# KiCad board jetson-agx-thor-baseboard.kicad_pcb (continued)
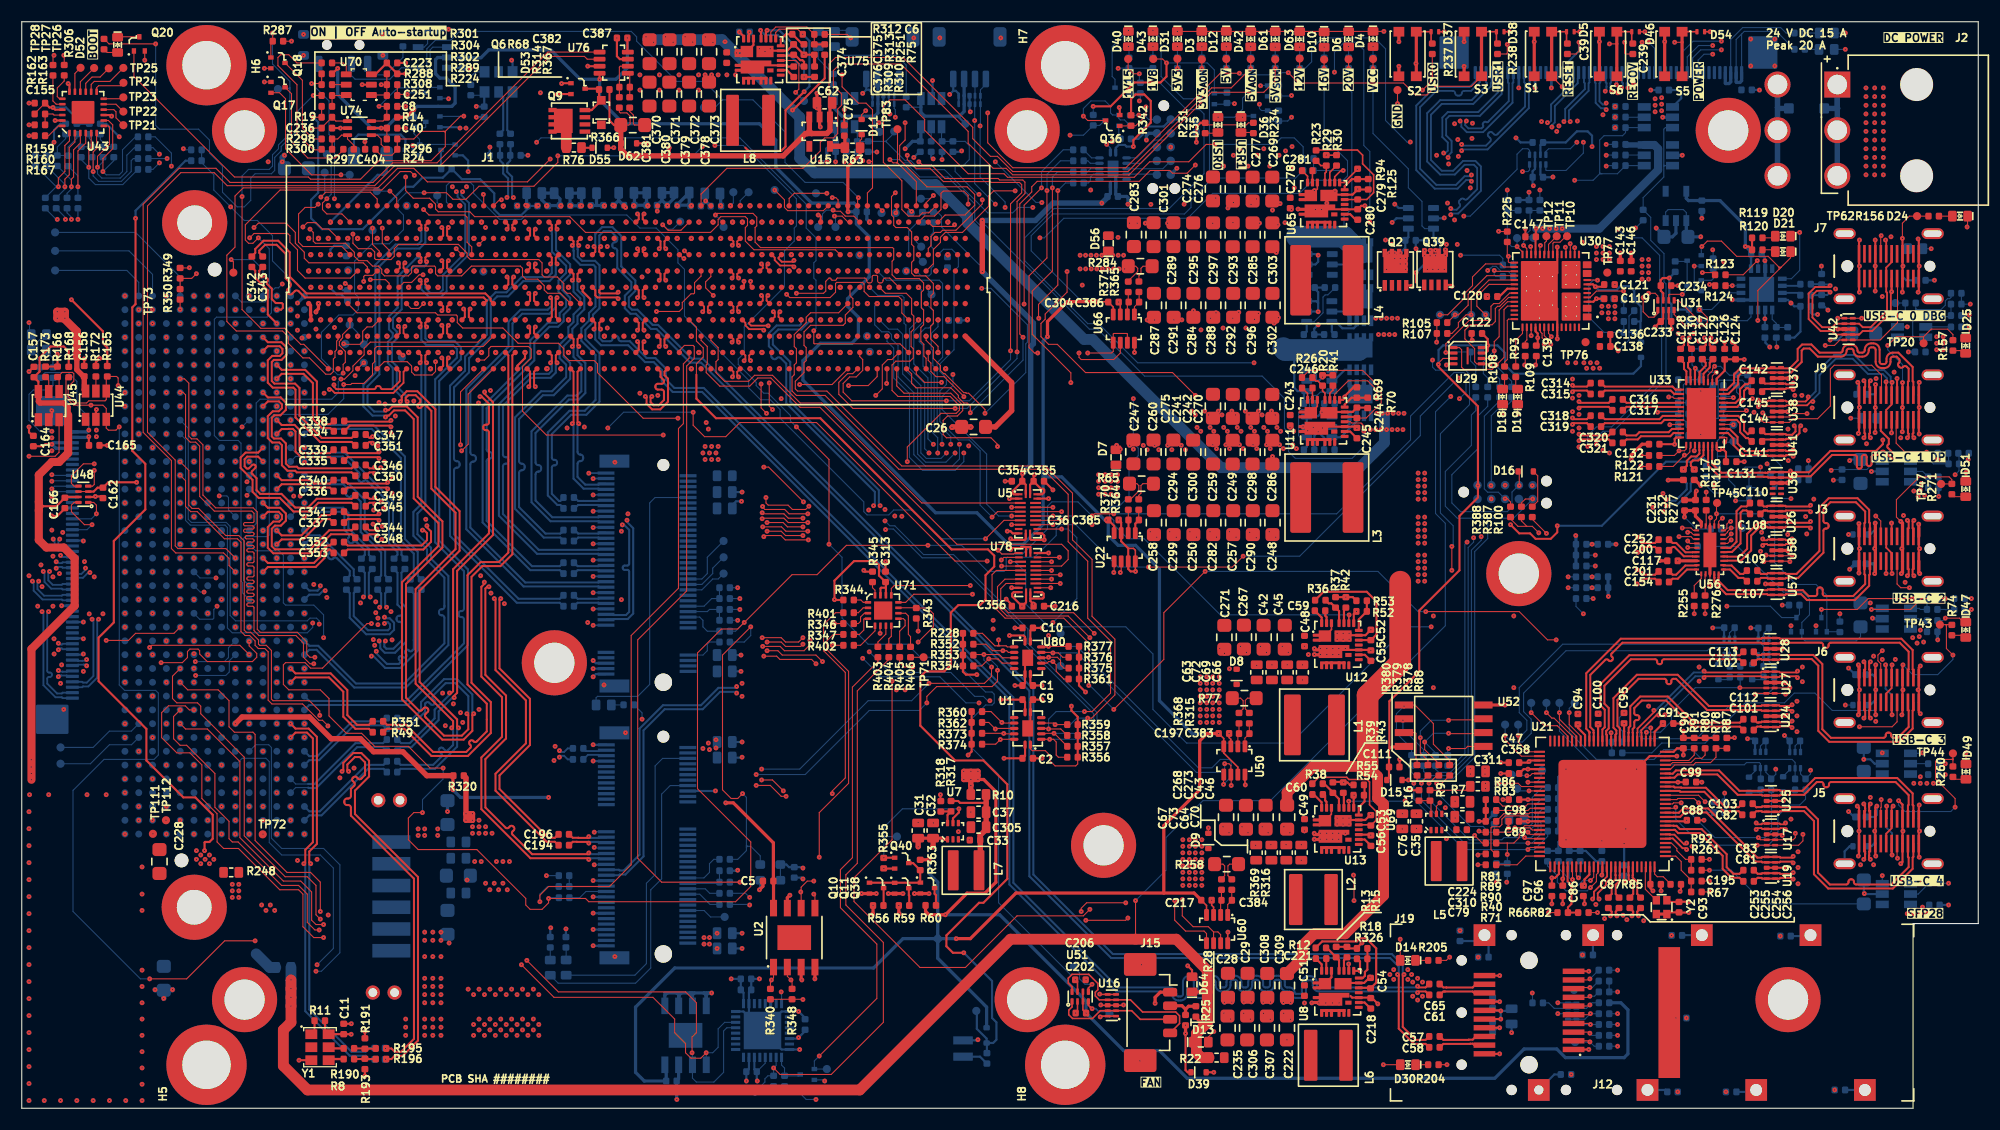
[diagram p0: board, top side]
## Routing (per net, layer and track width the routed paths; a pad name or vN(x,y) marks a point on that pad's centre or on a via; arc(x,y) is an arc through that point) (continued)
  Bottom w0.1: v1(93.67,80.11) 94.07,80.11 95.87,81.91 107.27,81.91 109.56,84.2 117.56,84.2 118.77,85.41 121.57,85.41 121.97,85.81 121.97,87.21 119.82,89.36 R51.2
  Bottom w0.2: C359.2 85.02,77.23 v1(85.02,77.06) ; C366.2 28.75,79.39 28.4,79.04 v1(28.4,78.56) ; C84.2 86.92,72.51 v1(87.02,72.61) ; 33.57,87.61 33.57,86.21 33.27,85.91 32.75,85.91 v1(28.4,81.56) ; C365.2 29.39,74.91 28.97,74.91 28.4,75.48 v1(28.4,75.56)
  vias: v1(25.37,72.91) v1(25.37,71.61) v1(26.4,80.06) v1(26.4,77.06) v1(26.59,78.56) v1(26.6,75.55) v1(27.07,71.71) v1(27.3,80.07) v1(27.31,77.06) v1(27.3,74.07) v1(27.49,78.56) v1(27.51,75.56) v1(27.51,72.57) v1(28.77,71.86) v1(99.07,58.31) v1(99.07,57.71) v1(99.07,57.11) v1(99.07,56.51) v1(99.67,58.31) v1(99.67,57.71) v1(99.67,57.11) v1(99.67,56.51) v1(100.22,58.31) v1(100.22,57.71) v1(100.22,57.11) v1(100.22,56.51) v1(100.82,58.31) v1(100.82,57.71) v1(100.82,57.11) v1(100.82,56.51)
Net-(BT1-+): length 2.5
  Bottom w0.2: R6.1 88.16,4.75 BT1.1
Net-(D1-C): length 106.2
  Top w0.1: 62.07,67.51 62.07,68.51 62.7,69.14 62.7,69.98 62.07,70.61 62.07,71.89 J1.D37
  Top w0.2: 62.07,67.51 62.07,65.31 63.87,63.51 73.47,63.51 85.54,51.44 88.89,51.44 89.47,50.86 89.47,49.86 88.67,49.06 88.67,46.81 88.17,46.31 86.17,46.31 85.47,45.61 85.47,40.81 84.87,40.21 83.17,40.21 82.67,39.71 82.67,35.21 85.87,32.01 88.47,32.01 90.67,29.81 90.67,21.11 88.47,18.91 88.07,18.91 85.07,15.91 85.07,14.91 85.67,14.31 v1(86.67,14.31)
  Bottom w0.2: D1.1 89.37,6.01 89.67,6.31 89.67,7.91 89.27,8.31 89.27,11.71 v1(86.67,14.31) ; D1.1 88.77,6.41 87.87,7.31 87.87,9.01 ; D1.1 88.79,5.99 R6.2
Net-(D3-A): length 1
  Bottom w0.1: D3.2 R32.1
  vias: v1(108.57,97.7)
Net-(D4-A): length 1
  Bottom w0.1: v1(124.32,97.71) R27.1
Net-(D6-A): length 1
  Bottom w0.1: v1(122.07,97.71) R17.1
Net-(D10-A): length 1
  Bottom w0.1: 119.82,97.71 R51.1
  vias: v1(119.82,97.66)
Net-(D12-A): length 1
  Bottom w0.1: D12.2 R64.1
  vias: v1(110.82,97.7)
Net-(D14-C): length 1.2
  Top w0.1: D14.1 R205.2
Net-(D16-A): length 3.6
  Top w0.1: R100.1 139.47,55.87 139.47,58.21 D16.2
Net-(D18-A): length 1.2
  Top w0.1: R108.2 136.42,66.37 D18.2
Net-(D19-A): length 1.2
  Top w0.1: R109.2 137.45,66.36 D19.2
Net-(D20-A): length 1.2
  Top w0.1: D20.2 161.17,80.11 R119.1
Net-(D21-A): length 1.3
  Top w0.1: D21.2 161.16,79.01 R120.1
Net-(D24-A): length 1.2
  Top w0.1: R156.1 D24.2
Net-(D25-A): length 1.3
  Top w0.1: R157.1 178.59,69.73 D25.2
Net-(D26-A): length 1.3
  Bottom w0.1: R177.1 D26.2
Net-(D27-A): length 1.3
  Bottom w0.1: R178.1 165.34,97.46 D27.2
Net-(D28-A): length 1.8
  Bottom w0.1: R182.1 2.87,69.04 2.27,69.64 D28.2
Net-(D29-A): length 3.5
  Bottom w0.1: R183.1 1.67,68.71 1.47,68.91 1.47,70.55 2.12,71.2 D29.2
Net-(D30-C): length 1.2
  Top w0.1: D30.1 R204.2
Net-(D31-A): length 1
  Bottom w0.1: v1(106.32,97.71) R79.1
Net-(D32-A): length 1.1
  Bottom w0.1: D32.2 55.36,37.12 R211.1
Net-(D32-C): length 26.5
  Bottom w0.1: J13.10 58.27,56.21 57.77,55.71 57.77,39.01 56.67,37.91 52.97,37.91 52.84,37.78 D32.1
Net-(D33-A): length 1.2
  Bottom w0.1: D33.2 50.08,14.78 R221.1
Net-(D34-A): length 1.2
  Bottom w0.1: D34.2 R222.1
Net-(D35-A): length 1.2
  Top w0.1: R231.1 109.98,89.74 D35.2
Net-(D35-C): length 4.8
  Bottom w0.1: v1(110.07,91.21) 111.57,91.21 112.32,91.96 112.32,92.96 112.99,93.63 Q13.3
Net-(D36-A): length 1.2
  Top w0.1: R234.1 113.24,89.81 D36.2
Net-(D36-C): length 1
  Bottom w0.1: Q14.3 112.43,91.32 v1(112.32,91.21)
Net-(D40-A): length 1.1
  Top w0.1: D40.2 v1(101.82,97.71)
  Bottom w0.1: R240.1 101.87,97.66 v1(101.82,97.71)
Net-(D40-C): length 6
  Bottom w0.1: v1(101.82,99.21) 100.32,97.71 100.32,94.96 100.58,94.7 Q4.3
Net-(D41-A): length 3.1
  Bottom w0.1: D41.2 73.27,96.59 R242.1
Net-(D42-A): length 1
  Bottom w0.1: 113.07,97.71 R35.1
  vias: v1(113.07,97.7)
Net-(D43-A): length 1
  Bottom w0.1: v1(104.07,97.71) R257.1
Net-(D43-C): length 9
  Bottom w0.1: Q16.3 106.87,92.91 104.82,94.96 104.82,98.46 v1(104.07,99.21)
Net-(D44-A): length 10.2
  Bottom w0.1: D44.2 74.87,97.71 75.67,96.91 80.47,96.91 81.37,96.01 R246.1
Net-(D47-A): length 1.4
  Top w0.1: R74.1 178.65,43.53 D47.2
Net-(D49-A): length 1.3
  Top w0.1: R260.1 177.89,30.28 D49.2
Net-(D51-A): length 1.4
  Top w0.1: R271.1 177.79,56.29 D51.2
Net-(D52-A): length 1.4
  Top w0.1: D52.2 7.86,97.17 R306.1
Net-(D52-C): length 2
  Top w0.1: Q20.3 8.86,98.61 D52.1
Net-(D53-A): length 4.2
  Top w0.2: Q9.4 52.42,91.87 D53.2 53.11,92.98 R68.1 ; Q6.3 53.11,93.84
Net-(D54-A): length 145.6
  Top w0.1: R308.2 v1(33.07,94.21) ; R288.1 C251.2 33.54,93.26 U70.1 ; 152.75,98.11 v1(152.07,98.11)
  Top w0.15: S5.4 D54.2
  Top w0.3: S5.3 S5.4
  In5.Cu w0.1: v1(152.07,98.11) 151.52,97.56 137.62,97.56 136.47,98.71 131.87,98.71 131.27,98.11 128.27,98.11 127.57,98.81 126.17,98.81 125.77,98.41 101.67,98.41 100.37,97.11 100.37,92.61 94.47,86.71 90.87,86.71 88.87,88.71 88.87,90.76 89.52,91.41 89.52,91.76 87.37,93.91 80.17,93.91 77.77,96.31 47.47,96.31 45.97,94.81 35.57,94.81 34.97,94.21 v1(33.07,94.21)
Net-(D57-A): length 1.1
  Bottom w0.1: D57.2 159.75,41.4 159.75,41.69
Net-(D57-C): length 1.2
  Bottom w0.1: D57.1 160,39.45 R330.1
Net-(D58-A): length 1.1
  Bottom w0.1: 156.61,41.72 156.61,41.37 D58.2
Net-(D58-C): length 1.1
  Bottom w0.1: R331.1 156.91,39.45 D58.1
Net-(D59-A): length 1
  Bottom w0.1: Q27.3 162.65,31.15 162.05,30.55 162.05,30.51
Net-(D59-C): length 1.2
  Bottom w0.1: R336.1 162.99,29.15 162.09,29.15 D59.1
Net-(D60-A): length 1.1
  Bottom w0.1: D60.2 159.46,31.03 Q29.3
Net-(D60-C): length 1.2
  Bottom w0.1: D60.1 159.76,29.08 159.99,29.31 R337.1
Net-(D61-A): length 1
  Bottom w0.1: 115.32,97.71 R61.1
  vias: v1(115.32,97.66)
Net-(D63-A): length 1
  Bottom w0.1: 117.57,97.71 R372.1
  vias: v1(117.57,97.66)
Net-(J1A-FSI_GPIO03): length 5
  Top w0.1: J1.K37 60.65,80.81 59.47,80.81 v1(58.97,81.31)
  Bottom w0.1: TP56.1 59.89,80.91 59.37,80.91 v1(58.97,81.31)
Net-(J1A-GPIO30):
  vias: v1(78,69.56)
Net-(J1A-GPIO31): length 0.8
  Bottom w0.1: v1(82.5,78.56) 82.5,78.3 TP34.1
Net-(J1A-GPIO39):
  vias: v1(77.8,71.06)
Net-(J1A-GPIO56): length 0
  Top w0.1: J1.G5 v1(30.02,77.06)
Net-(J1A-MODULE_POWER_GOOD): length 0.7
  Top w0.1: J1.L59 81.4,82.98 81.84,82.54 v1(81.87,82.54)
Net-(J1A-MV_LSW_MON): length 1.6
  Bottom w0.1: TP31.1 66.1,83.54 v1(66.1,83.06)
Net-(J1A-PERIPHERAL_RESET_N): length 0.7
  Top w0.1: J1.L58 80.5,82.49 v1(80.42,82.41)
Net-(J1A-POWER_INT_N): length 0.5
  Top w0.2: J1.B10 34.82,69.56 v1(35.07,69.31)
Net-(J1A-SYSTEM_OC_N): length 34.8
  Top w0.1: v1(63.82,82.21) 63.97,82.36 67.27,82.36 67.62,82.01 67.62,81.21 67.47,81.06 67.47,79.71 67.97,79.21 80.12,79.21 80.22,79.11 80.22,78.11 80.07,77.96 80.07,76.71 80.42,76.36 82.57,76.36 82.97,75.96 82.97,75.31 82.77,75.11 82.77,73.66 82.97,73.46 82.97,72.11 82.72,71.86 82.72,70.59 82.99,70.31 82.99,69.24 83.2,69.03 J1.A61
  Bottom w0.1: v1(63.82,82.21) 64.57,81.46 TP51.1
Net-(J1A-THERM_ALERT_N): length 0.7
  Top w0.1: v1(79.17,82.61) 78.72,83.06 J1.L56
Net-(J1A-THERM_SHDN_REQ_N):
  vias: v1(81.4,77.06)
Net-(J1A-UFS0_REF_CLK): length 0.8
  Top w0.1: J1.A6 31.45,68.61 v1(31.47,68.61)
Net-(J1A-UFS0_RST_N): length 1.4
  Bottom w0.1: TP53.1 30.9,71.38 v1(30.9,71.06)
Net-(J1A-VCOMP_ALERT_N): length 0.8
  Bottom w0.1: v1(83.4,75.56) 83.4,75.2 TP49.1
Net-(J1A-VM_INT_N): length 5.3
  Top w0.1: v1(74.07,84.21) 71.07,84.21 70.6,83.74 J1.L47
  Bottom w0.1: TP32.1 v1(74.07,84.21)
Net-(J1A-VM_SLEEP_N): length 1.4
  Bottom w0.1: v1(65.2,83.06) 65.47,83.33 TP57.1
Net-(J10-Pad39): length 162.5
  In5.Cu w0.1: v1(156.37,98.21) 153.17,98.21 151.92,96.96 134.77,96.96 129.56,91.75 122.71,91.75 121.67,90.71 99.54,90.71 94.99,86.16 89.52,86.16 85.77,89.91 74.4,89.91 72.25,87.76 71.97,87.76 71.62,87.41 52.27,87.41 51.27,88.41 46.27,88.41 45.77,87.91 25.37,87.91 24.17,86.71 15.84,86.71 14.64,87.91 13.72,87.91 13.12,88.51 12.37,88.51 12.12,88.26 12.12,87.51 12.62,87.01 v1(12.67,87.01)
  Bottom w0.1: R395.2 12.07,86.41 v1(12.67,87.01) ; v1(156.37,98.21) 153.77,98.21 152.73,97.17 J10.39
Net-(J10-Pad40): length 156.9
  In5.Cu w0.1: v1(155.57,97.81) 153.37,97.81 152.27,96.71 134.9,96.71 129.65,91.46 123.07,91.46 121.92,90.31 99.7,90.31 95.3,85.91 89.35,85.91 85.75,89.51 74.72,89.51 72.1,86.89 45.25,86.89 44.64,87.51 25.54,87.51 24.34,86.31 15.67,86.31 14.47,87.51 13.82,87.51 13.72,87.41 v1(13.37,87.41)
  Bottom w0.1: 13.37,87.41 v1(13.37,87.41) R396.2 ; J10.40 153.23,96.77 154.27,97.81 v1(155.57,97.81)
Net-(J10-Pad41): length 158.8
  In5.Cu w0.1: v1(12.67,87.81) 12.67,87.58 13.24,87.01 13.54,87.01 13.64,87.11 14.3,87.11 15.5,85.91 24.5,85.91 25.7,87.11 44.47,87.11 45.27,86.31 71.77,86.31 71.97,86.11 75.57,86.11 78.57,89.11 84.37,89.11 87.97,85.51 95.47,85.51 99.87,89.91 122.12,89.91 123.22,91.01 129.77,91.01 135.07,96.31 152.47,96.31 153.57,97.41 v1(156.37,97.41)
  Bottom w0.1: v1(12.67,87.81) 12.07,88.41 R397.2 ; J10.41 153.73,96.67 154.47,97.41 v1(156.37,97.41)
Net-(J10-Pad42): length 157.5
  In5.Cu w0.1: v1(155.57,97.01) 153.77,97.01 152.67,95.91 135.24,95.91 129.95,90.63 123.54,90.63 122.57,89.66 100.19,89.66 95.64,85.11 87.57,85.11 83.97,88.71 80.37,88.71 77.27,85.61 71.77,85.61 71.42,85.96 45.05,85.96 44.3,86.71 25.87,86.71 24.77,85.61 15.24,85.61 14.14,86.71 v1(13.77,86.71)
  Bottom w0.1: J10.42 154.23,96.47 154.77,97.01 v1(155.57,97.01) ; v1(13.77,86.71) 13.77,87.91 12.27,89.41 R398.2
Net-(J11-Pad39): length 30.5
  In5.Cu w0.1: v1(3.27,81.81) 3.27,80.23 1.3,78.26 1.3,57.81 2.77,56.34 v1(2.77,56.31)
  Bottom w0.1: J11.39 3.21,56.75 v1(2.77,56.31) ; v1(3.27,81.81) 3.17,81.81 2.17,82.81 R181.1
Net-(J11-Pad40): length 29.7
  In5.Cu w0.1: v1(2.77,57.01) 2.77,57.03 1.59,58.21 1.59,78.14 4.02,80.58 v1(4.02,81.81)
  Bottom w0.1: v1(4.02,81.81) 4.02,81.98 R184.1 ; J11.40 3.01,57.25 v1(2.77,57.01)
Net-(J11-Pad41): length 28.7
  In5.Cu w0.1: v1(2.77,57.71) 1.87,58.61 1.87,78.03 4.57,80.73 v1(4.57,81.81)
  Bottom w0.1: R399.1 4.17,82.41 4.57,82.01 v1(4.57,81.81) ; v1(2.77,57.71) 2.81,57.75 J11.41
Net-(J11-Pad42): length 27.9
  In5.Cu w0.1: v1(2.77,58.31) 2.15,58.93 2.15,77.91 5.17,80.93 v1(5.17,81.81)
  Bottom w0.1: v1(2.77,58.31) 2.83,58.25 J11.42 ; R400.1 v1(5.17,81.81)
Net-(J12-RS0): length 2.5
  Top w0.1: J12.7 144.17,10.21 v1(144.27,10.31)
  Bottom w0.1: v1(144.27,10.31) 144.69,10.31 R188.1
Net-(J12-RS1): length 2.7
  Top w0.1: v1(144.27,11.91) 144.17,11.81 J12.9
  Bottom w0.1: R199.2 144.28,11.91 v1(144.27,11.91)
Net-(J12-RX_{LOS}): length 4.2
  Top w0.1: J12.8 142.87,11.11 v1(144.27,11.11)
  Bottom w0.1: R192.1 144.48,11.11 v1(144.27,11.11) 143.03,11.11 TP29.1
Net-(J12-TX_{DISABLE}): length 2.4
  Top w0.1: J12.3 144.17,7.01 v1(144.27,6.91)
  Bottom w0.1: v1(144.27,6.91) 144.47,6.71 R198.2
Net-(J12-TX_{FAULT}): length 3.9
  Top w0.1: v1(144.27,6.11) 144.17,6.21 J12.2
  Bottom w0.1: TP30.1 144.25,6.09 v1(144.27,6.11) 144.67,5.71 R189.1
Net-(J18-PadB01): length 7
  Top w0.1: v1(19.27,78.11) 19.47,77.91 TP73.1
  Bottom w0.1: v1(19.27,78.11) 21.27,78.11 22.2,77.18 J18.B01
Net-(J18-PadB40):
  vias: v1(22.2,25.24)
Net-(J18-PadH01): length 14.9
  Bottom w0.1: J18.H01 14.58,76.5 10.47,80.61 TP109.1
Net-(J18-PadH02): length 0.9
  Top w0.1: R350.1 v1(14.57,73.51)
  Bottom w0.1: 14.58,73.5 14.58,73.5 v1(14.57,73.51)
Net-(J18-PadJ39): length 0
  Bottom w0.1: J18.J39 13.27,26.51 v1(13.27,26.51)
Net-(J18-PadK01): length 11.8
  Bottom w0.1: TP110.1 9.87,78.91 12.03,76.74 J18.K01
Net-(J18-PadK40): length 0
  Bottom w0.1: v1(12.07,25.26) 12.04,25.24 J18.K40
Net-(J18-PadL01): length 9.4
  Bottom w0.1: TP113.1 9.67,77.11 10.77,76.01 J18.L01
Net-(J18-PadL32): length 8.1
  Bottom w0.1: J18.L32 10.08,34.71 8.07,34.71 6.57,33.21 TP114.1
Net-(J18-PadL33): length 8.2
  Bottom w0.1: J18.L33 10.1,33.46 8.07,33.46 6.32,31.71 TP115.1
Net-(Q1-D): length 3.3
  Bottom w0.1: Q1.3 71.49,2.98 70.19,2.98 R232.1 70.18,3.7 69.9,3.98 U14.17
Net-(Q2-G): length 12.5
  Top w0.2: v1(127.88,75.65) 127.88,75.68 127.82,75.73 Q2.4 ; v1(131.58,75.65) 131.58,75.68 131.48,75.77 Q39.4
  In5.Cu w0.2: v1(130.87,81.95) 131.57,81.25 131.57,75.66 v1(131.58,75.65) 131.54,75.69 127.91,75.69 v1(127.88,75.65)
  Bottom w0.2: U6.5 130.83,81.91 v1(130.87,81.95)
Net-(Q5-G): length 2.5
  Bottom w0.2: 122.16,63.74 122.16,63 121.87,62.71 U61.5
Net-(Q8-D): length 7.6
  Bottom w0.2: 30.57,87.61 30.57,89.21 30.97,89.61 34.87,89.61 35.3,89.18 Q8.3
Net-(Q9-D): length 2.6
  Top w1: R76.1 50.1,90.6 Q9.5
Net-(Q10-D): length 1.6
  Top w0.2: R56.1 79.29,18.67 Q10.3
Net-(Q10-G): length 7.2
  Top w0.2: Q10.1 82.67,20.76 Q38.1 82.66,20.79 R363.1 82.01,22.56 Q40.3
Net-(Q11-D): length 1.6
  Top w0.2: R59.1 81.65,19.57 81.61,19.61 Q11.3
Net-(Q17-D): length 10.9
  Top w0.1: 29.59,88.21 28.84,87.46 26.32,87.46 24.82,88.96 24.82,93.37 Q17.3
Net-(Q18-D): length 8.8
  Top w0.1: Q18.3 25.82,94.61 25.82,90.21 26.82,89.21 R298.1
Net-(Q19-D): length 13.4
  Top w0.1: v1(173.97,46.91) 169.87,46.91 168.87,45.91 v1(165.57,45.91)
  Bottom w0.1: v1(165.57,45.91) Q19.3 ; U23.4 174.57,46.01 174.67,45.91 R269.1 175.28,46.89 R268.1 173.98,46.9 v1(173.97,46.91)
Net-(Q21-D1): length 2.2
  Bottom w0.1: Q21.5 160.25,43.72 R299.2 160.75,44.18 Q21.6
Net-(Q22-D): length 3.7
  Top w0.1: R308.1 C251.1 34.65,93.31 v1(35.47,93.31)
  Bottom w0.1: Q22.3 35.62,93.46 v1(35.47,93.31)
Net-(Q22-G): length 6
  Bottom w0.1: Q22.1 37.72,93.96 37.57,94.11 37.57,97.41 37.82,97.66 U72.1
Net-(Q23-G): length 2.2
  Bottom w0.2: Q23.4 122.16,72.82 121.65,73.33 U62.5
Net-(Q24-G): length 2
  Bottom w0.2: Q24.4 121.73,67.97 120.72,66.96 U63.5
Net-(Q25-G): length 2.2
  Bottom w0.2: U64.5 121.62,77.66 122.16,77.12 Q25.4
Net-(Q26-D1): length 2.2
  Bottom w0.1: Q26.5 157.11,43.75 R303.2 157.61,44.21 Q26.6
Net-(Q27-D1): length 2.3
  Bottom w0.1: Q27.5 163.15,33.35 R332.2 163.65,33.77 Q27.6
Net-(Q28-G): length 9
  Top w0.1: v1(97.67,91.31) 98.07,90.91 Q36.3
  Bottom w0.1: R126.1 101.46,90.96 101.07,90.96 100.93,91.1 Q28.1 100.36,91.42 100.17,91.61 100.17,92.21 99.67,92.71 98.37,92.71 97.67,92.01 v1(97.67,91.31)
Net-(Q29-D1): length 2.2
  Bottom w0.1: Q29.5 159.96,33.34 R333.2 160.46,33.78 Q29.6
Net-(Q34-D): length 2.5
  Bottom w0.1: Q34.3 159.44,57.13 Q35.1 158.91,58.23 R273.1
Net-(Q35-D): length 5.7
  Bottom w0.1: R118.2 154.97,57.31 155.65,56.63 Q35.3 157.61,57.27 157.04,57.84 R274.1
Net-(Q37-D): length 1.7
  Bottom w0.2: Q37.3 38.57,86.48 R50.1
Net-(Q37-G): length 6.6
  Bottom w0.1: Q7.3 37.17,90.31 37.1,90.24 R47.1 36.07,89.71 36.6,89.18 Q8.1 39.86,88.71 Q37.1
Net-(Q38-D): length 1.7
  Top w0.2: Q38.3 83.98,19.74 84.11,19.61 R60.1
Net-(R265-Pad1): length 2.6
  Bottom w0.1: R269.2 176.97,45.91 176.99,45.89 R339.2 R265.1
Net-(R300-Pad2): length 15.1
  Top w0.1: 27.59,88.21 26.82,88.21 25.32,89.71 25.32,94.21 23.57,95.96 23.57,96.71 23.82,96.96 24.57,96.96 25.32,96.21 R301.2
Net-(R307-Pad2): length 5.9
  Bottom w0.1: SW2.3 31.82,95.16 31.87,95.11 33.47,95.11 35.07,96.71 R307.2
Net-(R406-Pad2): length 1.2
  Top w0.1: TP71.1 R406.2
Net-(U21-PF19): length 7.9
  Top w0.1: U21.66 138.67,26.81 138.57,26.91 136.47,26.91 136.17,26.61 136.17,26.11 135.97,25.91 135.27,25.91 135.17,25.81 135.17,23.81 135.57,23.41 R40.2
Net-(U21-PF26): length 4.3
  Top w0.1: R71.2 137.57,22.41 138.37,23.21 U21.75
Net-(U21-RBIAS): length 2.5
  Top w0.1: R85.2 151.69,20.64 151.02,21.31 150.47,21.31 150.22,21.56 150.22,22.22
Net-(U21-USB2DN_DM3): length 2.7
  Top w0.1: U21.82 143.02,21.41 v1(143.22,21.21)
  Bottom w0.1: v1(143.22,21.21) 143.37,21.36 R46.1
Net-(U21-USB2DN_DM4): length 4.7
  Top w0.1: v1(154.87,28.21) 154.27,28.81 U21.15
  Bottom w0.1: v1(154.87,28.21) R57.1
Net-(U21-USB2DN_DP3): length 3.1
  Top w0.1: U21.81 142.67,22.18 v1(142.67,21.05)
  Bottom w0.1: R21.1 142.37,21.21 142.53,21.05 v1(142.67,21.05)
Net-(U21-USB2DN_DP4): length 5.1
  Top w0.1: v1(154.27,28.11) 153.87,28.51 152.37,28.51 152.27,28.41 U21.14
  Bottom w0.1: R48.1 155.17,27.21 v1(154.27,28.11)
Net-(U21-USB3DN_RXDM3): length 8
  Top w0.1: v1(144.32,20.31) 144.87,20.86 144.87,21.51 145.02,21.66 U21.87
  Bottom w0.1: v1(144.32,20.31) 144.02,20.01 142.07,20.01 141.27,20.81 141.27,21.41 140.37,22.31 R62.1
Net-(U21-USB3DN_RXDP3): length 6.1
  Top w0.1: U21.86 144.62,21.26 v1(144.32,20.96)
  Bottom w0.1: v1(144.32,20.96) 143.62,20.96 143.17,20.51 142.47,20.51 142.17,20.81 142.17,21.31 141.37,22.11 R58.1
Net-(U21-XTALI): length 3.5
  Top w0.1: 150.38,19.15 149.37,20.16 149.37,22.17 U21.98
Net-(U22-IN+): length 2.3
  Top w0.1: R364.1 102.76,54.15 C385.2
  Top w0.2: U22.1 102.45,53.81 C385.2
Net-(U22-IN-): length 2.2
  Top w0.1: R370.1 101.8,54.15 C385.1
  Top w0.2: C385.1 101.82,52.95 U22.2
Net-(U23-FLG): length 9
  Top w0.1: v1(170.17,45.91) 173.77,45.91 174.77,46.91 v1(176.97,46.91)
  Bottom w0.1: v1(176.97,46.91) 176.26,46.91 R268.2 ; v1(170.17,45.91) 170.27,46.01 U23.3
Net-(U30A-HPD1): length 9.6
  Top w0.1: U30.30 136.35,77.43 136.07,77.71 134.67,77.71 133.47,76.51 133.47,75.71 132.67,74.91 132.67,74.51 131.19,73.03 v1(130.47,73.03)
Net-(U33-CAD_SNK/RSVD1): length 1.8
  Top w0.1: v1(156.67,61.31) 156.87,61.51 156.87,61.71 156.84,61.74 U33.29
  Bottom w0.1: v1(156.67,61.31) 157.39,61.31 TP18.1
Net-(U34-RXD): length 4.2
  Top w0.1: R123.2 158.37,76.71 v1(159.67,78.01)
  Bottom w0.1: v1(159.67,78.01) 159.74,77.94 U34.2
Net-(U34-TXD): length 1.4
  Top w0.1: v1(157.37,75.71) R124.2
  Bottom w0.1: v1(157.37,75.71) 157.38,75.7 U34.15
Net-(U34-~{RESET}): length 2.8
  Bottom w0.1: R145.2 162.44,71.86 161.45,71.86 C140.1 161.42,72.24 161.04,72.62 U34.9
Net-(U35-EN): length 4.6
  Bottom w0.1: U35.4 175.62,59.56 175.87,59.31 R143.2 177.27,60.26 R144.2
Net-(U35-ISET): length 1.8
  Bottom w0.1: U35.5 174.89,58.61 R146.2
Net-(U40-EN): length 3.4
  Bottom w0.1: U40.4 177.39,72.86 R152.2 177.49,72.96 R151.2
Net-(U50-IN+): length 2.3
  Top w0.1: R315.1 112.94,34.49 C383.2 112.53,34.07 U50.1
Net-(U50-IN-): length 2.2
  Top w0.1: U50.2 111.88,34.38 C383.1 R368.1
Net-(U53-ISET): length 1.4
  Bottom w0.1: U53.5 75.87,90.14 R241.2
Net-(U55-ISET): length 1.3
  Bottom w0.1: R245.2 83.67,90.33 U55.5
Net-(U59-B1Y): length 1.8
  Bottom w0.1: 99.15,87.47 98.43,87.47 R294.1
Net-(U59-B2Y): length 1.6
  Bottom w0.1: 99.15,86.97 98.33,86.97 98.32,86.96 98.08,87.2 R293.1
Net-(U59-B3Y): length 1.6
  Bottom w0.1: 99.15,86.47 98.33,86.47 98.04,86.18 R292.1
Net-(U59-B4): length 2
  Bottom w0.1: 99.15,85.98 98.59,85.98 98.32,85.71 98.32,85.36 98.12,85.16 R295.1
Net-(U60-IN+): length 2.5
  Top w0.1: U60.1 110.95,18.75 C384.2 111.32,19.15 R316.1
Net-(U60-IN-): length 2.4
  Top w0.1: U60.2 110.3,19.06 C384.1 R369.1
Net-(U66-IN+): length 2.3
  Top w0.1: R365.1 102.8,75.11 C386.2 102.37,73.77 U66.1
Net-(U66-IN-): length 2.1
  Top w0.1: R371.1 101.8,74.24 C386.1 101.72,74.08 U66.2
Net-(U70-OUT): length 2.2
  Top w0.1: U70.4 29.86,95.92 29.57,96.21 R301.1
Net-(U70-~{CLR}): length 2.3
  Top w0.1: R224.1 R289.1 29.81,93.21 U70.6
Net-(U70-~{INT}): length 1.3
  Top w0.1: R302.1 29.85,94.21 U70.5
Net-(U71-ADDR): length 1.3
  Top w0.1: R345.2 78.27,47.91 78.5,47.68 U71.16
Net-(U71-~{RESET}): length 1.4
  Top w0.1: R344.2 77.2,46.78 77.42,46.56 U71.1
Net-(U72-CT): length 2.2
  Bottom w0.1: U72.5 37.02,97.66 37.34,97.98 C226.2
Net-(U72-~{MR}): length 7.8
  Bottom w0.1: SW2.2 30.32,95.06 30.67,94.71 33.87,94.71 34.92,95.76 U72.4
Net-(U74-2Y): length 2.3
  Top w0.1: U74.4 32.72,89.56 33.07,89.21 33.07,88.71 33.57,88.21 33.59,88.21
Net-(U76-IN+): length 2.3
  Top w0.1: R314.1 55.94,93.06 C382.2 55.94,95.08 U76.1
Net-(U76-IN-): length 3.6
  Top w0.1: U76.2 55.06,95.91 54.98,95.82 C382.1 R367.1
Net-(Y1-EN): length 1.4
  Top w0.2: Y1.1 26.94,7.12 R11.2
Net-(Y5-EN): length 2.2
  Bottom w0.1: Y5.1 41.74,95.39 41.31,94.95 R1.2

## Copper pours and planes (outline as drawn; the poured copper is in the pictures)
+1V8 on Top: 19.07,19.11 20.27,19.11 20.27,20.91 20.47,21.11 20.47,22.41 19.37,22.41 19.27,22.31 19.27,20.91 19.07,20.71
+1V8 on In4.Cu: -3.93,104.2 107.07,104.2 107.07,0.2 103.07,-3.8 -1.43,-3.8 -3.93,-1.3
+1V8 on In5.Cu: 90.57,43.21 95.07,43.21 97.57,45.71 97.57,59.71 90.07,59.71 90.07,43.71
+1V15 on In4.Cu: 134.07,31.7 139.57,31.7 143.57,35.7 150.57,35.7 153.57,32.7 153.57,26.2 153.47,17.11 143.07,17.11 137.07,23.11 137.07,28.2 136.07,29.2 134.07,29.2
+3V3 on Top: 106.27,24.91 109.17,24.91 109.17,23.91 110.07,23.91 110.47,23.51 110.47,21.51 109.87,21.51 109.87,20.61 109.56,20.61 108.77,19.81 106.67,19.81 106.27,20.21
+3V3 on Bottom: 147.17,91.31 151.17,91.31 151.17,93.21 147.17,93.21
+3V3 on Bottom: 40.27,23.91 44.07,23.91 44.07,25.31 41.67,27.71 40.27,27.71
+3V3 on Bottom: 64.67,57.51 66.07,57.51 66.07,61.31 62.27,61.31 62.27,59.11 64.67,59.11
+3V3 on Bottom: 60.32,14.89 62.57,14.89 63.57,13.89 64.57,13.89 64.57,16.89 63.57,16.89 62.57,15.89 60.32,15.89
+3V3 on Bottom: 60.32,32.46 62.57,32.46 63.57,31.46 64.57,31.46 64.57,34.46 63.57,34.46 62.57,33.46 60.32,33.46
+3V3 on In2.Cu: -3.93,104.2 183.57,104.2 183.57,-2.3 182.57,-3.3 -2.93,-3.3 -5.43,-0.8 -5.43,102.7
+5V on Top: 129.79,25.3 128.95,24.62 126.38,24.62 126.38,26.2 128.88,26.2 129.79,25.89
+5V on Top: 107.87,40.21 110.77,40.21 110.77,39.21 112.07,39.21 112.07,36.98 111.87,36.81 110.37,36.81 110.37,35.11 108.27,35.11 107.87,35.51
+5V on Bottom: 173.07,19.21 175.97,19.21 175.97,17.11 173.07,17.11
+5V on Bottom: 174.37,71.41 174.37,70.31 174.67,70.01 174.67,69.01 177.27,69.01 177.27,71.41
+5V on Bottom: 173.17,58.01 174.77,58.01 175.09,57.69 175.09,57.68 175.68,57.68 175.68,56.01 173.17,56.01
+5V on Bottom: 173.07,31.11 173.07,29.31 176.27,29.31 176.27,31.11
+5V on Bottom: 40.27,23.71 45.47,23.71 45.47,19.71 42.87,19.71 42.07,20.51 42.07,21.71 40.27,21.71
+5V on Bottom: 173.07,44.51 174.67,44.51 174.99,44.19 174.99,44.18 175.58,44.18 175.58,42.51 173.07,42.51
+5V on In4.Cu: -0.41,74.6 9.07,74.6 9.07,18.7 28.57,18.7 37.45,27.96 89.27,28.11 97.27,36.11 97.27,45.11 105.07,45.11 105.07,64.72 96.07,73.7 96.07,101.7 182.07,101.7 182.07,0.2 179.07,-2.8 -0.44,-2.8
+5V_AON on Top: 50.87,91.51 54.27,91.51 54.47,91.31 55.77,91.31 55.77,89.51 50.87,89.51
+5V_SOM on Top: 52.77,89.31 52.77,87.51 55.17,85.11 62.57,85.11 63.87,83.81 63.87,82.21 45.97,82.21 45.97,84.31 46.77,85.11 48.37,85.11 50.77,87.51 50.77,89.31
+20V on Top: 101.42,79.06 102.47,78.01 102.47,77.16 102.12,76.81 100.67,76.81 100.67,75.79 100.57,75.66 97.41,75.66 97.07,76.01 97.07,78.71 97.42,79.06
+20V on Bottom: 119.07,67.71 119.07,81.46 99.32,81.46 97.07,79.21 97.07,75.71 103.82,68.96 120.32,68.96
/DCDC/1V8_SW on Top: 85.41,25.14 85.41,24.35 85,23.79 85,20.03 86.32,20.03 86.32,23.74 85.91,24.34 85.91,25.14
/DCDC/1V15_OUT on Top: 132.67,30.31 133.87,30.31 133.87,25.51 133.27,24.91 133.27,20.71 131.87,20.71 131.87,24.51 132.47,25.11 132.47,30.11
/DCDC/1V15_SW on Top: 129.89,25.99 129.89,25.2 129.48,24.65 129.48,20.88 130.8,20.88 130.8,24.59 130.39,25.19 130.39,25.99
/DCDC/3V3_OUT on Top: 118.72,23.27 118.72,16.87 118.31,16.46 116.06,16.46 113.81,18.71 113.81,19.21 111.26,21.76 111.26,23.27
/DCDC/3V3_SW on Top: 119.43,24.27 121.81,24.27 121.81,16.77 121.51,16.47 119.11,16.47 118.72,16.87 118.72,23.28 119.06,23.62 119.06,23.89
/DCDC/5V_OUT on Top: 118.73,40.12 118.73,32.87 118.07,32.21 114.07,32.21 113.82,32.46 113.82,36.21 112.87,37.16 112.87,40.12
/DCDC/5V_SW on Top: 119.44,41.21 122.07,41.21 122.07,32.46 121.82,32.21 119.57,32.21 118.73,33.05 118.73,40.12 119.07,40.46 119.07,40.84
/DCDC/5V_{AON}_OUT on Top: 66.07,93.71 66.87,92.91 66.87,88.51 66.67,88.31 64.07,88.31 62.87,89.51 56.57,89.51 56.57,93.01 56.87,93.31 63.67,93.31 64.07,93.71
/DCDC/5V_{AON}_SW on Top: 66.07,93.71 66.07,94.91 69.07,94.91 69.07,94.11 69.67,93.51 69.67,88.31 67.07,88.31 66.87,88.51 66.87,92.91
/DCDC/12V_OUT on Top: 120.32,2.46 120.07,2.21 117.57,2.21 115.82,3.96 109.82,3.96 109.82,6.96 110.32,7.46 117.57,7.46 118.07,7.96 119.32,7.96 120.32,6.96
/DCDC/12V_SW on Top: 119.32,9.21 122.07,9.21 122.07,8.21 122.82,7.46 122.82,2.46 122.57,2.21 120.57,2.21 120.32,2.46 120.32,6.96 119.32,7.96
/DCDC/16V_OUT on Top: 118.32,60.21 119.07,59.46 119.07,52.21 116.07,52.21 116.07,53.46 115.63,53.9 103.32,53.9 103.32,58.21 102.82,58.71 101.82,58.71 101.82,60.21
/DCDC/16V_SW on Top: 118.07,61.96 118.07,60.46 119.07,59.46 119.07,52.21 124.07,52.21 124.07,59.96 123.32,60.71 120.82,60.71 120.57,60.96 120.57,61.96
/DCDC/20V_OUT on Top: 118.32,80.21 119.07,79.46 119.07,72.21 116.07,72.21 116.07,73.46 115.63,73.9 103.32,73.9 103.32,78.21 102.82,78.71 101.82,78.71 101.82,80.21
/DCDC/20V_SW on Top: 118.07,81.96 118.07,80.46 119.07,79.46 119.07,72.21 123.32,72.21 123.87,72.76 123.87,80.16 123.32,80.71 120.82,80.71 120.57,80.96 120.57,81.96
/Expansion connector/+3V3_FMC on Bottom: 32.07,23.71 40.07,23.71 40.07,25.21 39.57,25.71 39.57,26.71 32.07,26.71
/Expansion connector/+3V3_FMC on In2.Cu: 19.07,30.71 20.57,30.71 24.57,26.71 38.57,26.71 38.57,24.21 19.07,24.21
/Expansion connector/+5V_FMC on Bottom: 32.07,21.71 36.57,21.71 37.57,20.71 39.57,20.71 39.57,21.71 40.07,22.21 40.07,23.71 32.07,23.71
/Expansion connector/+12V_FMC on Bottom: 10.07,31.21 13.62,31.21 13.62,18.5 16.26,15.71 17.57,15.71 20.07,18.21 20.07,32.21 23.07,32.21 23.07,14.21 21.07,12.21 12.07,12.21 10.07,14.21
